# Altium PCB MLB_REV1.PcbDoc (part 3 of 3)
Units mm, origin at the board's own origin, x right, y up, seen from the top; angles counter-clockwise.
Board outline 150 x 100 mm, 2 copper layers (Top Layer, Bottom Layer); 244 components, 218 nets, 948 pads, 549 vias.
Unrouted connection lines stored in the file: 5.
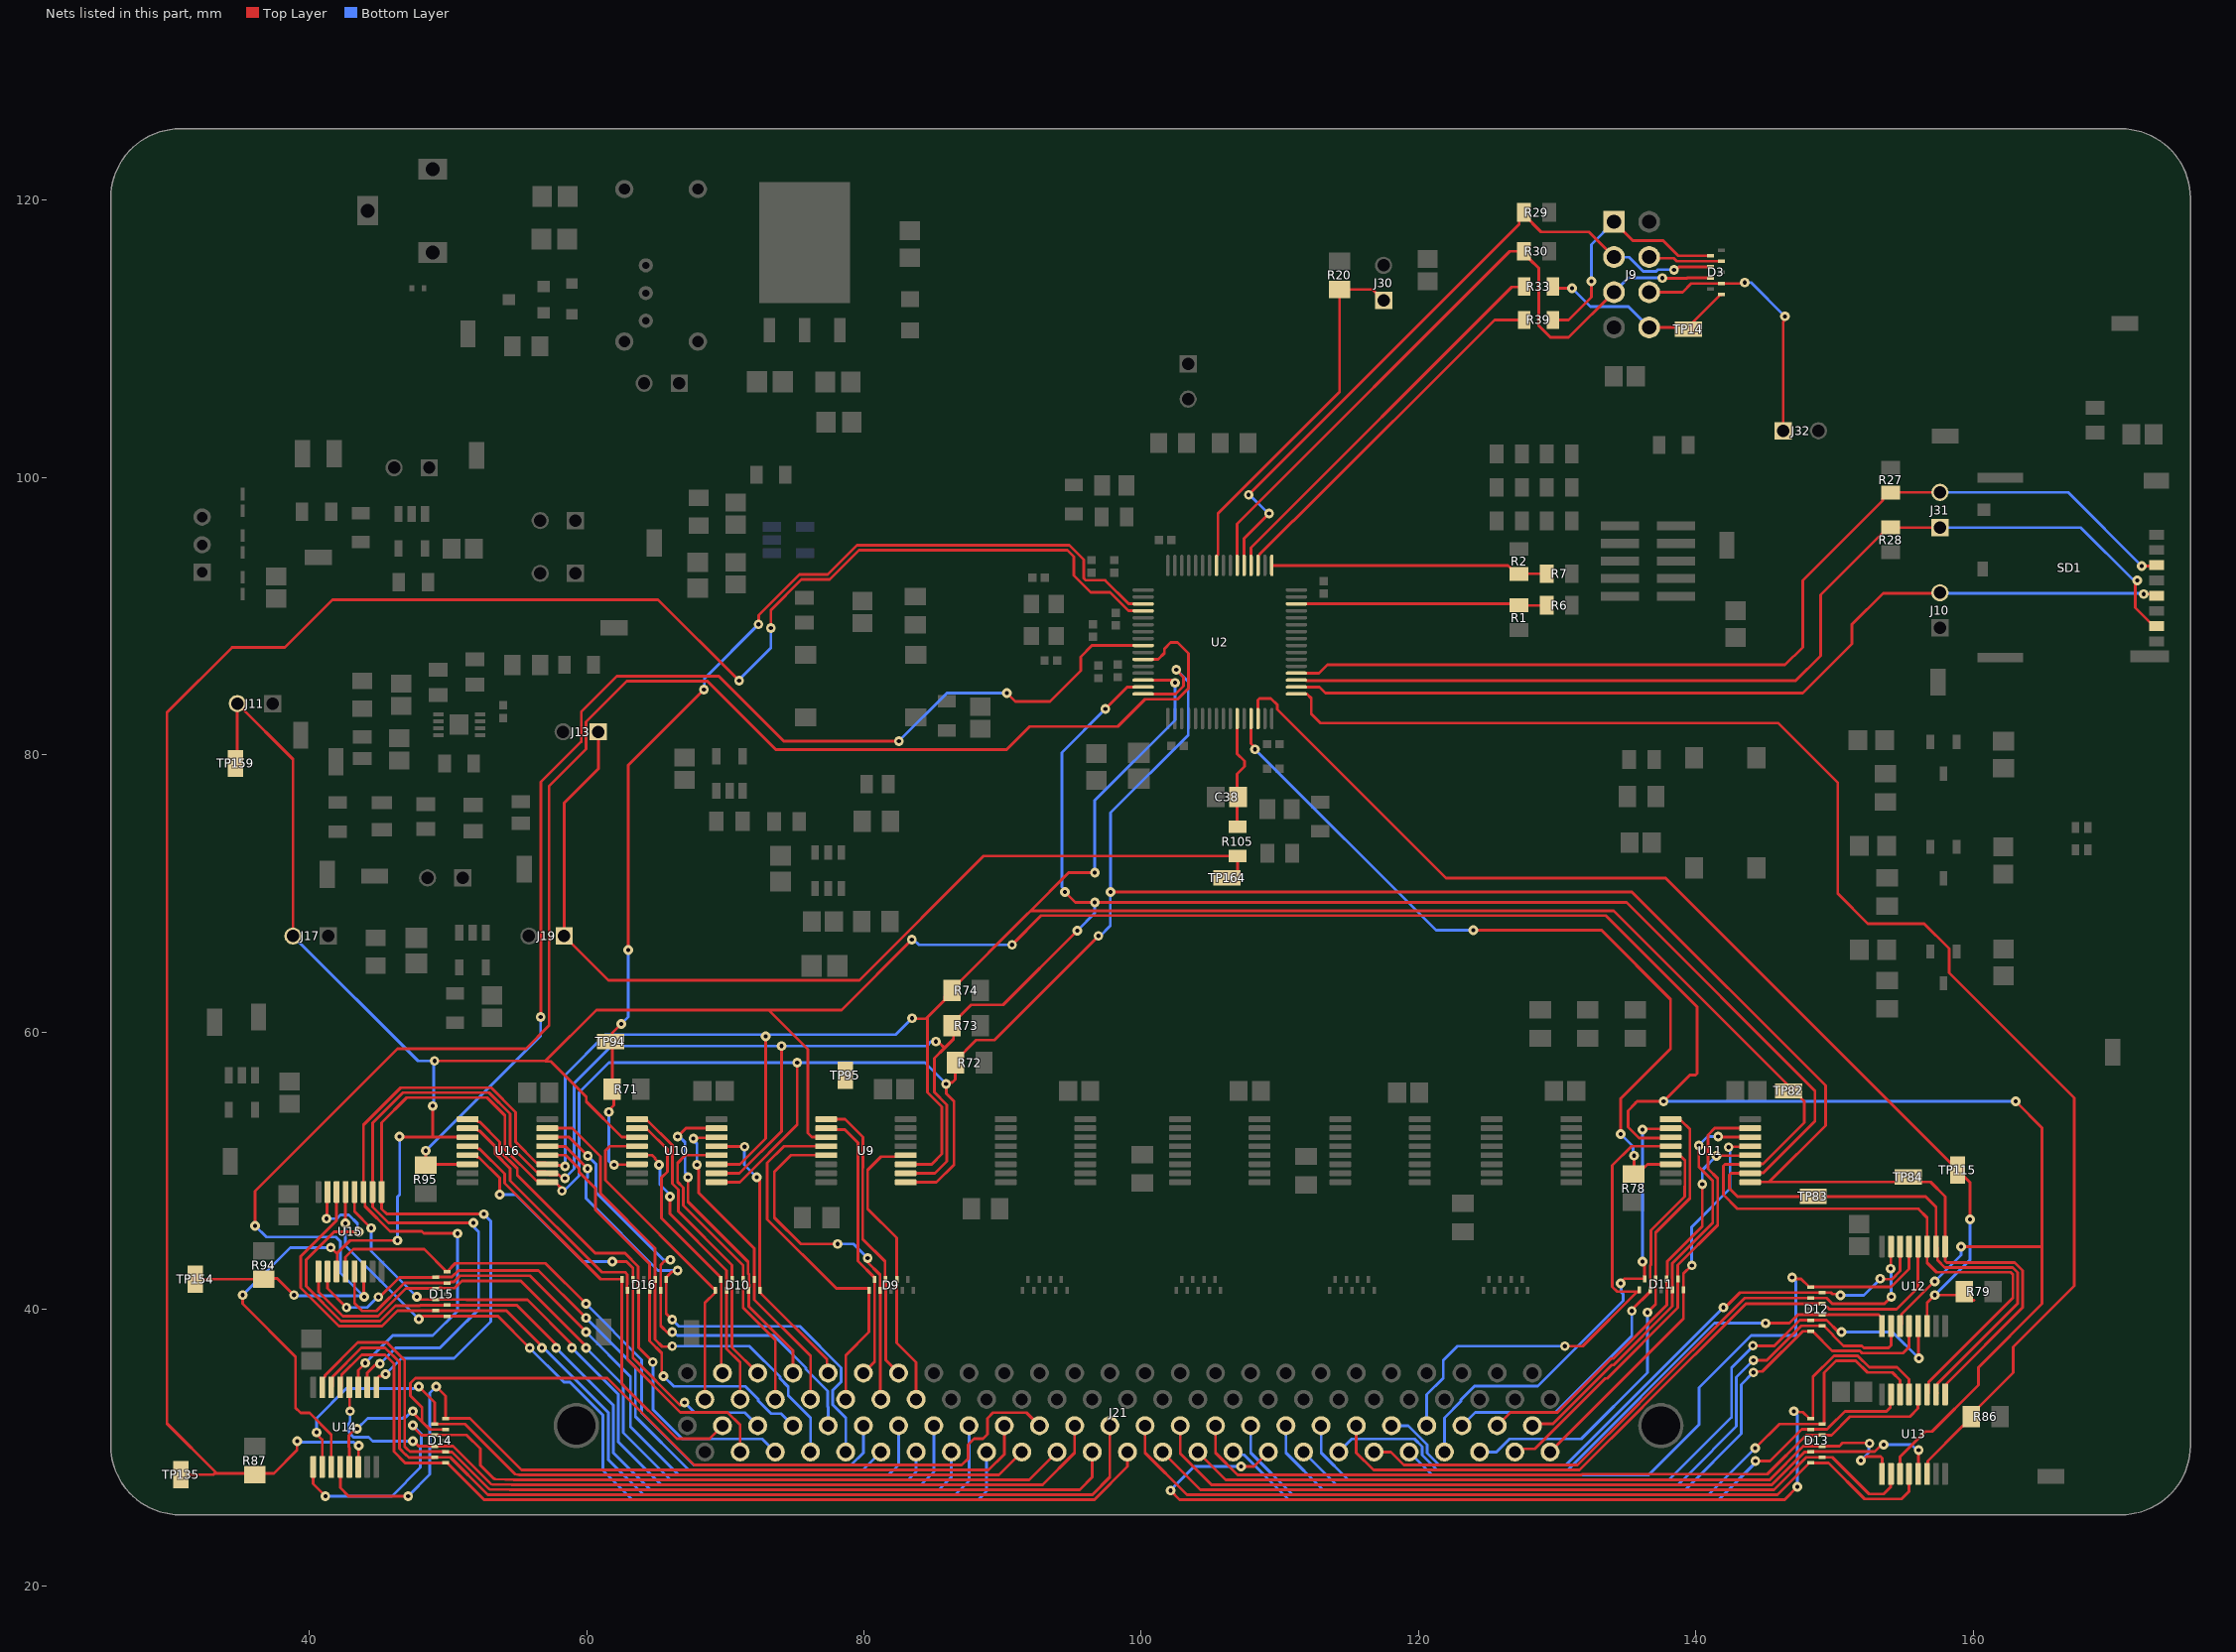
[diagram p3: the nets of this part, all layers, seen from the top]

## Via types
v1: diameter 0.7, hole 0.3, Top Layer to Bottom Layer, tented both sides, 542 vias
v2: diameter 5.5, hole 3, Top Layer to Bottom Layer, tented both sides, 6 vias
v3: diameter 0.5, hole 0.2, Top Layer to Bottom Layer, tented both sides, 1 vias

## Nets (pads, with @x,y where several pads share a name; then routed paths per layer and width w, separated by ;. In a path a pad name is that pad's centre, name@x,y a point inside that pad or via, vN(x,y) a via of type N, cw(c..) or ccw(c..) an arc to the next point about the centre after c; other vN are vias at no path point) (continued)
SENSE_MUX1_Y3: D9.7 J21.37 U9.12 | length 21.2
  Top Layer w0.203: U9.12@83.007,51.11 82.904,51.007 81.233,51.007 80.264,50.038 80.264,47.244 82.36,45.148 D9.7@82.36,42.154 82.36,37.568 83.761,36.167 J21.37@83.761,33.5
SENSE_MUX1_Y4: D9.8 J21.38 U9.1 | length 21.3
  Top Layer w0.203: U9.1@77.267,53.71 78.624,53.71 79.914,52.42 79.914,50.191 79.908,50.185 79.908,45.06 81.516,43.452 81.516,42.421 81.537,42.4 81.537,42.177 D9.8@81.56,42.154 81.56,36.331 J21.38@82.491,35.4
SENSE_MUX1_Y5: D9.2 J21.39 U9.5 | length 26.1
  Top Layer w0.203: U9.5@77.267,51.11 74.732,51.11 73.533,49.911 73.533,46.609 75.438,44.704 v1(78.105,44.704) ; v1(80.264,43.688) 80.214,43.638 80.214,43.434 81.16,42.488 D9.2@81.16,41.354 81.183,41.33 81.183,33.538 J21.39@81.221,33.5
  Bottom Layer w0.203: v1(78.105,44.704) 79.248,44.704 v1(80.264,43.688)
SENSE_MUX1_Y6: D9.9 J21.40 U9.2 | length 20.2
  Top Layer w0.203: U9.2@77.267,53.06 77.37,52.957 78.615,52.957 79.558,52.014 79.558,50.338 79.553,50.333 79.553,43.486 80.76,42.279 D9.9@80.76,42.154 80.76,36.209 J21.40@79.951,35.4
SENSE_MUX1_Y7: D9.1 J21.41 U9.4 | length 26.9
  Top Layer w0.203: U9.4@77.267,51.76 74.234,51.76 73.025,50.551 73.025,46.482 78.005,41.502 80.337,41.502 80.36,41.479 80.36,38.35 78.681,36.671 J21.41@78.681,33.5
SENSE_MUX2_EN_L: R71.1 TP94.1 U2.3 U10.6 | length 78.5
  Top Layer w0.203: v1(61.595,54.229) 61.595,54.363 61.955,54.723 61.955,55.865 R71.1@61.94,55.88 ; R71.1@61.84,55.88 61.84,59.935 v1(62.484,60.579) ; v1(61.976,50.419) 61.997,50.44 63.601,50.44 U10.6@63.622,50.46 ; v1(62.992,65.913) 62.992,79.248 v1(68.453,84.709) ; v1(72.39,89.408) 72.394,89.412 72.394,90.063 75.344,93.013 77.376,93.013 79.493,95.13 94.801,95.13 95.839,94.092 95.839,92.742 95.988,92.593 97.389,92.593 99.085,90.897 100.13,90.897 U2.3@100.139,90.888
  Bottom Layer w0.203: v1(61.595,54.229) 61.595,50.673 61.849,50.419 v1(61.976,50.419) ; v1(62.484,60.579) 62.992,61.087 v1(62.992,65.913) ; v1(68.453,84.709) 68.48,84.736 68.48,85.498 v1(72.39,89.408)
SENSE_MUX2_Y0: D10.5 J21.42 U10.13 | length 20.9
  Top Layer w0.203: U10.13@69.362,51.76 69.383,51.738 71.365,51.738 v1(71.387,51.717) ; v1(72.263,49.53) 72.263,49.528 72.483,49.308 D10.5@72.483,41.354 72.483,41.229 77.323,36.389 77.323,35.488 J21.42@77.411,35.4
  Bottom Layer w0.203: v1(71.387,51.717) 71.374,51.704 71.374,50.419 v1(72.263,49.53)
SENSE_MUX2_Y1: D10.6 J21.43 U10.14 | length 24
  Top Layer w0.203: v1(67.691,52.324) 67.734,52.367 69.319,52.367 U10.14@69.362,52.41 ; v1(67.945,50.419) 68.04,50.324 68.04,50.07 68.072,50.038 68.072,48.398 72.083,44.386 D10.6@72.083,42.154 72.083,40.693 76.141,36.635 J21.43@76.141,33.5
  Bottom Layer w0.203: v1(67.691,52.324) 67.691,52.19 67.945,51.936 v1(67.945,50.419)
SENSE_MUX2_Y2: D10.4 J21.44 U10.15 | length 23.7
  Top Layer w0.203: v1(66.548,52.451) 67.157,53.06 U10.15@69.362,53.06 ; v1(67.31,49.53) 67.31,47.752 71.639,43.423 71.639,42.574 71.704,42.509 71.704,41.798 71.716,41.786 71.716,41.618 71.706,41.608 71.706,41.377 D10.4@71.683,41.354 71.683,40.204 74.871,37.016 J21.44@74.871,35.4
  Bottom Layer w0.203: v1(66.548,52.451) 66.682,52.451 67.092,52.041 67.092,49.882 67.31,49.664 v1(67.31,49.53)
SENSE_MUX2_Y3: D10.7 J21.45 U10.12 | length 23
  Top Layer w0.203: U10.12@69.362,51.11 67.112,51.11 66.548,50.546 66.548,49.18 66.954,48.774 66.954,47.473 71.283,43.144 D10.7@71.283,42.154 71.283,40.096 73.601,37.778 J21.45@73.601,33.5
SENSE_MUX2_Y4: D10.8 J21.46 U10.1 | length 22.3
  Top Layer w0.203: U10.1@63.622,53.71 63.725,53.607 64.395,53.607 66.167,51.834 66.167,49.058 66.599,48.626 66.599,47.066 70.483,43.182 D10.8@70.483,42.154 70.483,37.248 J21.46@72.331,35.4
SENSE_MUX2_Y5: D10.2 J21.47 U10.5 | length 21.3
  Top Layer w0.203: U10.5@63.622,51.11 64.714,51.11 64.915,50.909 64.915,50.846 65.207,50.553 v1(65.207,50.419) ; v1(65.995,48.133) 65.995,46.891 70.083,42.803 D10.2@70.083,41.354 70.083,37.145 71.061,36.167 J21.47@71.061,33.5
  Bottom Layer w0.203: v1(65.207,50.419) 65.278,50.348 65.278,48.976 65.995,48.259 v1(65.995,48.133)
SENSE_MUX2_Y6: D10.9 J21.48 U10.2 | length 27.7
  Top Layer w0.203: U10.2@63.622,53.06 63.725,52.957 64.395,52.957 65.811,51.54 65.811,49.922 65.391,49.501 65.391,46.566 67.586,44.371 67.591,44.371 D10.9@69.704,42.258 ; J21.48@69.791,35.4 J21.48@69.704,35.487 ; J21.48@69.704,35.487 D10.9@69.704,42.258 ; J21.48@69.704,35.487 D10.9@69.704,42.258
SENSE_MUX2_Y7: D10.1 J21.49 U10.4 | length 24
  Top Layer w0.203: U10.4@63.622,51.76 61.666,51.76 61.341,51.435 61.341,49.296 69.135,41.502 69.26,41.502 69.283,41.479 D10.1@69.283,41.354 69.283,41.229 68.521,40.467 J21.49@68.521,33.5
SENSE_MUX3_EN_L: R78.1 U2.29 U11.6 | length 57.5
  Top Layer w0.203: U2.29@107.914,82.613 107.914,80.815 108.204,80.525 v1(108.204,80.391) ; v1(123.949,67.338) 133.195,67.338 138.176,62.357 138.176,58.801 134.567,55.192 v1(134.567,52.644) ; R78.1@135.509,49.757 135.542,49.79 v1(135.542,51.08) ; U11.6@138.176,50.46 136.512,50.46 R78.1@135.709,49.657 ; R78.1@135.709,49.657 135.509,49.657 R78.1@135.709,49.657
  Bottom Layer w0.203: v1(108.204,80.391) 121.257,67.338 v1(123.949,67.338) ; v1(134.567,52.644) 135.476,51.735 135.476,51.145 v1(135.542,51.08)
SENSE_MUX3_Y0: D11.5 J21.51 U11.13 | length 29.2
  Top Layer w0.203: J21.51@129.481,29.7 139.103,39.322 D11.5@139.103,41.402 139.103,42.583 139.682,43.162 v1(139.718,43.162) ; v1(142.367,51.689) 142.403,51.725 143.88,51.725 U11.13@143.916,51.76 U11.13@144.019,51.657
  Bottom Layer w0.203: v1(139.718,43.162) 139.7,43.18 139.7,45.928 142.463,48.691 142.463,51.593 v1(142.367,51.689)
SENSE_MUX3_Y1: D11.4 J21.52 U11.14 | length 30.9
  Top Layer w0.203: J21.52@128.211,31.6 128.355,31.744 129.696,31.744 133.927,35.975 134.072,35.975 138.303,40.207 D11.4@138.303,41.402 138.303,43.307 141.219,46.223 141.219,49.283 140.208,50.294 v1(140.208,51.816) ; v1(141.605,52.451) 141.626,52.43 143.896,52.43 U11.14@143.916,52.41
  Bottom Layer w0.203: v1(140.208,51.816) 140.843,52.451 v1(141.605,52.451)
SENSE_MUX3_Y2: D11.6 J21.53 U11.15 | length 33.3
  Top Layer w0.203: J21.53@126.941,29.7 127.164,29.923 128.377,29.923 133.468,35.013 133.613,35.013 138.703,40.104 D11.6@138.703,42.202 138.703,43.199 141.575,46.071 141.575,49.43 140.874,50.131 140.874,52.574 141.36,53.06 U11.15@143.916,53.06
SENSE_MUX3_Y3: D11.7 J21.54 U11.12 | length 30.5
  Top Layer w0.203: J21.54@125.671,31.6 126.633,32.562 130.011,32.562 133.885,36.436 134.029,36.436 137.903,40.31 D11.7@137.903,42.202 137.926,42.225 137.926,42.448 137.947,42.469 137.947,43.454 140.462,45.969 v1(140.462,49.022) ; v1(141.478,51.054) 141.506,51.082 143.888,51.082 U11.12@143.916,51.11
  Bottom Layer w0.203: v1(140.462,49.022) 140.462,50.038 v1(141.478,51.054)
SENSE_MUX3_Y4: D11.8 J21.55 U11.1 | length 35
  Top Layer w0.203: v1(136.508,39.768) 137.103,40.364 137.103,43.036 ; 137.104,43.037 137.104,45.537 139.573,48.006 139.573,52.982 138.949,53.607 138.279,53.607 U11.1@138.176,53.71
  Bottom Layer w0.203: J21.55@124.401,29.7 125.615,29.7 126.553,30.638 131.73,30.638 136.508,35.416 v1(136.508,39.768)
SENSE_MUX3_Y5: D11.2 J21.56 U11.5 | length 30.4
  Top Layer w0.203: v1(135.382,39.878) 135.382,39.956 136.703,41.277 136.703,43.139 136.748,43.184 136.748,45.684 139.192,48.128 139.192,48.857 139.215,48.88 139.215,50.74 138.949,51.007 138.279,51.007 U11.5@138.176,51.11
  Bottom Layer w0.203: J21.56@123.131,31.6 124.093,32.562 129.87,32.562 135.382,38.074 v1(135.382,39.878)
SENSE_MUX3_Y6: D11.9 J21.57 U11.2 | length 35.1
  Top Layer w0.203: v1(134.581,41.871) 134.581,41.917 134.866,42.202 D11.9@136.303,42.202 136.303,43.315 136.184,43.434 v1(136.144,43.434) ; v1(136.147,52.957) 136.199,53.009 138.125,53.009 U11.2@138.176,53.06
  Bottom Layer w0.203: J21.57@121.861,29.7 121.861,32.173 123.048,33.361 123.048,33.474 124.037,34.462 128.6,34.462 134.747,40.609 134.747,41.09 134.621,41.216 134.621,41.831 v1(134.581,41.871) ; v1(136.144,43.434) 136.146,43.436 v1(136.147,52.957) v1(136.147,52.957)
SENSE_MUX3_Y7: D11.1 J21.58 U11.4 | length 37.1
  Top Layer w0.203: v1(130.556,37.338) 131.839,37.338 135.755,41.254 135.88,41.254 135.903,41.277 D11.1@135.903,41.29 ; D11.1@135.903,41.402 D11.1@135.903,41.29 ; U11.4@138.176,51.76 135.368,51.76 133.977,50.369 133.977,41.621 134.331,41.267 135.88,41.267 D11.1@135.903,41.29
  Bottom Layer w0.203: J21.58@120.591,31.6 120.591,33.85 121.778,35.037 121.778,36.307 122.809,37.338 v1(130.556,37.338)
SENSE_MUX4_EN_L: R79.1 TP115.1 U2.30 U12.6 | length 81.9
  Top Layer w0.203: U2.30@108.414,82.613 108.414,83.955 108.533,84.074 109.347,84.074 109.804,83.617 109.804,83.276 121.978,71.102 137.813,71.102 159.766,49.149 v1(159.766,46.482) ; U12.6@156.677,38.786 156.677,40.472 v1(157.226,41.021) 159.122,41.021 R79.1@159.376,41.275 ; R79.1@159.476,40.64 160.068,40.64
  Bottom Layer w0.203: v1(157.226,41.021) 159.766,43.561 v1(159.766,46.482)
SENSE_MUX4_Y0: D12.1 J21.59 U12.13 | length 49.3
  Top Layer w0.203: v1(146.939,42.291) 147.034,42.196 147.582,42.196 D12.1@148.173,41.605 ; D12.1@148.298,41.605 154.087,41.605 155.377,42.895 U12.13@155.377,44.526
  Bottom Layer w0.203: J21.59@119.321,29.7 120.97,28.051 136.603,28.051 140.236,31.684 140.236,34.335 144.001,38.1 147.2,38.1 147.2,42.03 v1(146.939,42.291)
SENSE_MUX4_Y1: D12.9 J21.60 U12.14 | length 46
  Top Layer w0.203: v1(141.986,40.132) 142.113,40.132 143.186,41.205 D12.9@149.098,41.205 149.739,41.205 149.848,41.096 150.342,41.096 v1(150.437,41.001) ; v1(153.289,42.209) 153.334,42.164 154.143,42.164 154.727,42.748 U12.14@154.727,44.526
  Bottom Layer w0.203: J21.60@118.051,31.6 119.25,31.6 120.615,30.236 120.615,29.62 121.473,28.762 130.616,28.762 v1(141.986,40.132) ; v1(150.437,41.001) 152.126,41.001 153.289,42.164 v1(153.289,42.209)
SENSE_MUX4_Y2: D12.2 J21.61 U12.15 | length 46.7
  Top Layer w0.203: J21.61@116.781,29.7 117.995,29.7 118.933,28.762 131.47,28.762 135.846,33.138 cw(c137.481,31.6) 135.943,33.235 143.513,40.805 D12.2@148.298,40.805 149.432,40.805 149.84,40.397 153.605,40.397 v1(154.102,40.894) ; v1(154.051,42.926) 154.064,42.939 154.064,44.513 U12.15@154.077,44.526
  Bottom Layer w0.203: v1(154.051,42.926) 154.077,42.9 154.077,40.92 v1(154.102,40.894)
SENSE_MUX4_Y3: D12.8 J21.62 U12.12 | length 69
  Top Layer w0.203: J21.62@115.511,31.6 115.511,29.643 116.753,28.401 120.747,28.401 131.612,28.401 ; U12.12@156.027,44.526 156.027,41.551 154.481,40.005 149.623,40.005 149.223,40.405 D12.8@149.098,40.405 143.616,40.405 ; 131.612,28.401 136.102,32.89 ; 131.612,28.401 136.102,32.891 ; 136.102,32.891 cw(c137.481,31.6) 136.19,32.979 ; 136.102,32.89 cw(c137.481,31.6) 136.191,32.979 ; 136.102,32.891 cw(c137.481,31.6) 136.19,32.979 ; 136.102,32.891 cw(c137.481,31.6) 136.19,32.979 ; 136.191,32.98 143.616,40.405 ; 136.19,32.979 143.616,40.405
SENSE_MUX4_Y4: D12.7 J21.63 U12.1 | length 46.2
  Top Layer w0.203: v1(145.034,38.989) 146.751,38.989 147.367,39.605 153.188,39.605 153.427,39.366 U12.1@153.427,38.786
  Bottom Layer w0.203: J21.63@114.241,29.7 115.179,30.638 119.71,30.638 120.259,30.089 120.259,29.473 121.325,28.406 130.763,28.406 141.346,38.989 v1(145.034,38.989)
SENSE_MUX4_Y5: D12.4 J21.64 U12.5 | length 56.3
  Top Layer w0.203: v1(144.119,37.364) 145.652,37.364 147.493,39.205 D12.4@148.298,39.205 149.432,39.205 150.305,38.332 150.473,38.332 v1(150.495,38.354) ; U12.5@156.027,38.786 156.055,38.758 156.055,36.477 v1(156.083,36.449)
  Bottom Layer w0.203: J21.64@112.971,31.6 112.971,29.643 114.924,27.69 138.053,27.69 142.57,32.207 142.57,35.763 144.119,37.312 v1(144.119,37.364) ; v1(150.495,38.354) 154.178,38.354 v1(156.083,36.449)
SENSE_MUX4_Y6: D12.6 J21.65 U12.2 | length 52.3
  Top Layer w0.203: v1(144.145,36.322) 145.115,36.322 147.598,38.805 D12.6@149.098,38.805 149.121,38.782 149.246,38.782 149.891,38.137 149.891,38.104 150.637,37.358 151.967,37.358 152.113,37.211 153.889,37.211 154.077,37.399 U12.2@154.077,38.786
  Bottom Layer w0.203: J21.65@111.701,29.7 114.066,27.335 138.714,27.335 139.506,28.127 142.926,31.547 142.926,35.103 v1(144.145,36.322)
SENSE_MUX4_Y7: D12.5 J21.66 U12.4 | length 57.2
  Top Layer w0.203: v1(144.145,35.433) 144.216,35.504 144.8,35.504 147.701,38.405 D12.5@148.298,38.405 148.321,38.382 148.446,38.382 149.826,37.002 151.819,37.002 151.992,36.83 154.94,36.83 155.377,37.267 U12.4@155.377,38.786
  Bottom Layer w0.203: J21.66@110.431,31.6 110.431,29.643 113.095,26.979 139.247,26.979 143.281,31.013 143.281,34.569 v1(144.145,35.433)
SENSE_MUX5_EN_L: R86.1 U2.33 U13.6 | length 106.1
  Top Layer w0.203: U2.33@111.189,84.388 111.198,84.379 111.963,84.379 112.258,84.084 112.258,82.941 112.903,82.296 145.923,82.296 150.241,77.978 150.241,69.977 152.4,67.818 156.464,67.818 158.27,66.012 158.27,64.258 167.284,55.244 167.284,41.687 162.878,37.28 162.878,35.411 159.875,32.408 R86.1@159.875,32.258 159.875,32.108 159.352,31.585 159.253,31.585 156.724,29.056 156.724,28.165 U13.6@156.677,28.118
SENSE_MUX5_Y0: D13.1 J21.67 U13.13 | length 73.6
  Top Layer w0.203: v1(102.108,26.924) 102.764,26.268 146.41,26.268 v1(147.32,27.178) ; v1(107.19,28.659) 108.12,28.659 J21.67@109.161,29.7 ; v1(147.066,32.639) 147.135,32.57 147.721,32.57 148.173,32.118 D13.1@148.298,32.118 148.423,32.118 148.446,32.141 148.446,35.122 149.971,36.647 151.672,36.647 152.505,35.814 154.506,35.814 155.377,34.943 U13.13@155.377,33.858
  Bottom Layer w0.203: v1(102.108,26.924) 102.108,26.959 103.808,28.659 v1(107.19,28.659) ; v1(147.066,32.639) 147.32,32.385 v1(147.32,27.178)
SENSE_MUX5_Y1: D13.9 J21.68 U13.14 | length 57.8
  Top Layer w0.203: v1(144.272,29.972) 144.339,30.039 146.018,31.718 D13.9@149.098,31.718 149.223,31.718 149.246,31.741 149.246,35.42 150.118,36.291 151.525,36.291 152.383,35.433 154.178,35.433 154.727,34.884 U13.14@154.727,33.858
  Bottom Layer w0.203: J21.68@107.891,31.6 107.891,29.643 110.911,26.623 140.923,26.623 v1(144.272,29.972)
SENSE_MUX5_Y2: D13.2 J21.69 U13.15 | length 53.3
  Top Layer w0.203: v1(144.298,29.052) 145.348,29.052 147.637,31.341 ; D13.2@148.298,31.318 148.321,31.341 148.553,31.341 148.562,31.351 148.731,31.351 148.743,31.339 149.453,31.339 149.602,31.488 149.602,31.497 150.744,32.639 153.74,32.639 154.026,32.925 154.026,33.807 U13.15@154.077,33.858 ; 147.637,31.341 148.298,31.341 147.637,31.341
  Bottom Layer w0.203: J21.69@106.621,29.7 106.825,29.497 107.41,29.497 110.638,26.268 141.644,26.268 144.298,28.921 v1(144.298,29.052)
SENSE_MUX5_Y3: D13.8 J21.70 U13.12 | length 56.3
  Top Layer w0.203: J21.70@105.351,31.6 105.351,29.643 106.949,28.046 131.76,28.046 131.819,28.105 145.151,28.105 147.964,30.918 D13.8@149.098,30.918 149.79,30.918 151.122,32.25 155.44,32.25 156.027,32.837 U13.12@156.027,33.858
SENSE_MUX5_Y4: D13.7 J21.71 U13.1 | length 54.7
  Top Layer w0.203: J21.71@104.081,29.7 106.091,27.69 145.33,27.69 147.758,30.118 D13.7@149.098,30.118 150.349,30.118 150.584,30.353 152.496,30.353 v1(152.527,30.322) ; v1(151.892,29.083) 152.026,29.083 152.306,29.362 153.321,29.362 153.44,29.243 153.44,28.131 U13.1@153.427,28.118
  Bottom Layer w0.203: v1(151.892,29.083) 152.476,29.667 152.476,30.271 v1(152.527,30.322)
SENSE_MUX5_Y5: D13.4 J21.72 U13.5 | length 59.3
  Top Layer w0.203: J21.72@102.811,31.6 102.811,29.584 105.06,27.335 144.571,27.335 145.478,27.335 147.837,29.695 148.275,29.695 D13.4@148.298,29.718 152.908,29.718 153.416,30.226 v1(153.543,30.226) ; U13.5@156.027,28.118 156.05,28.141 156.05,29.822 v1(156.073,29.845)
  Bottom Layer w0.203: v1(153.543,30.226) 155.558,30.226 155.939,29.845 v1(156.073,29.845)
SENSE_MUX5_Y6: D13.6 J21.73 U13.2 | length 56.9
  Top Layer w0.203: J21.73@101.541,29.7 104.262,26.979 145.625,26.979 147.964,29.318 D13.6@149.098,29.318 149.844,29.318 152.492,26.67 153.543,26.67 154.042,27.169 154.042,28.083 U13.2@154.077,28.118
SENSE_MUX5_Y7: D13.5 J21.74 U13.4 | length 61.8
  Top Layer w0.203: J21.74@100.271,31.6 100.271,29.643 103.291,26.623 145.878,26.623 148.173,28.918 149.567,28.918 152.17,26.314 154.838,26.314 155.377,26.853 U13.4@155.377,28.118
SENSE_MUX6_EN_L: R87.1 TP135.1 U2.4 U14.6 | length 156.6
  Top Layer w0.203: TP135.1@30.734,28.067 33.067,28.067 33.158,28.158 33.31,28.158 ; v1(39.116,30.48) 39.096,30.46 39.096,29.825 37.429,28.158 33.31,28.158 ; U14.6@43.52,28.626 43.54,28.647 43.54,30.141 v1(43.561,30.161) ; v1(70.993,85.344) 65.151,91.186 41.656,91.186 38.227,87.757 34.417,87.757 29.718,83.058 29.718,31.75 33.31,28.158 ; v1(73.279,89.154) 73.279,90.445 75.491,92.657 77.523,92.657 79.64,94.775 93.511,94.775 93.525,94.76 94.668,94.76 95.021,94.406 95.128,94.3 95.128,92.95 96.351,91.727 97.752,91.727 99.082,90.397 100.13,90.397 U2.4@100.139,90.388
  Bottom Layer w0.203: v1(39.116,30.48) 39.187,30.409 43.178,30.409 43.427,30.161 v1(43.561,30.161) ; v1(70.993,85.344) 70.993,85.432 73.279,87.718 v1(73.279,89.154)
SENSE_MUX6_Y0: D14.1 J21.75 U14.13 | length 68.3
  Top Layer w0.203: U14.13@42.22,34.366 42.323,34.469 42.323,35.269 43.773,36.718 45.451,36.718 46.101,36.068 46.101,29.718 46.901,28.918 D14.1@49.822,28.918 49.947,28.918 52.597,26.268 96.621,26.268 99.001,28.648 J21.75@99.001,29.7
SENSE_MUX6_Y1: D14.9 J21.76 U14.14 | length 71.9
  Top Layer w0.203: U14.14@41.57,34.366 41.673,34.469 41.673,35.139 43.746,37.211 45.461,37.211 46.482,36.19 46.482,29.96 46.931,29.511 46.943,29.511 47.159,29.295 ; D14.9@49.022,29.318 50.156,29.318 52.791,26.683 52.851,26.623 96.473,26.623 ; 96.474,26.624 97.731,27.881 J21.76@97.731,31.6 ; 47.159,29.295 49.022,29.295 47.159,29.295
SENSE_MUX6_Y2: D14.2 J21.77 U14.15 | length 67.5
  Top Layer w0.203: U14.15@40.92,34.366 40.92,34.946 41.111,35.137 41.111,35.226 43.477,37.592 45.583,37.592 46.863,36.312 46.863,30.082 47.078,29.867 47.095,29.867 47.244,29.718 D14.2@49.822,29.718 49.845,29.695 50.283,29.695 52.939,27.039 53.052,26.995 53.133,26.993 54.439,26.979 93.032,26.979 ; 93.032,26.98 95.56,26.98 96.461,27.881 J21.77@96.461,29.7
SENSE_MUX6_Y3: D14.8 J21.78 U14.12 | length 60.1
  Top Layer w0.203: U14.12@42.87,34.366 42.898,34.338 42.898,32.667 v1(42.926,32.639) ; v1(47.467,30.48) 47.505,30.48 47.867,30.118 D14.8@49.022,30.118 50.362,30.118 53.086,27.394 53.201,27.349 54.586,27.335 90.024,27.335 ; 90.025,27.335 92.883,27.335 95.191,29.643 J21.78@95.191,31.6
  Bottom Layer w0.203: v1(42.926,32.639) 42.926,31.86 42.83,31.764 42.83,31.119 43.184,30.765 44.273,30.765 44.558,30.48 v1(47.467,30.48)
SENSE_MUX6_Y4: D14.7 J21.79 U14.1 | length 64.5
  Top Layer w0.203: U14.1@40.27,28.626 40.27,27.394 v1(41.148,26.516) ; v1(47.467,31.623) 47.467,31.527 48.076,30.918 D14.7@49.022,30.918 49.478,30.918 49.49,30.93 51.331,30.93 52.328,29.933 52.328,28.746 ; 89.877,27.69 54.997,27.69 54.734,27.69 53.404,27.746 cw(c53.412,27.949) 53.269,27.805 ; 89.877,27.691 91.912,27.691 J21.79@93.921,29.7 ; 52.328,28.746 53.268,27.806 ; 52.328,28.746 53.269,27.805